# Allegro board SDHCalFEB.brd (continued)
## Nets (continued)
VAL_EVTP_B: R655.1 R2614.1 U325.93(VAL_EVTP) U390.93(VAL_EVTP) U455.93(VAL_EVTP) U520.93(VAL_EVTP)
VAL_EVTP_C: R988.1 R2622.1 U585.93(VAL_EVTP) U650.93(VAL_EVTP) U715.93(VAL_EVTP) U780.93(VAL_EVTP)
VAL_EVTP_D: R1321.1 R2630.1 U845.93(VAL_EVTP) U910.93(VAL_EVTP) U975.93(VAL_EVTP) U1040.93(VAL_EVTP)
VREF1.25V: C1393.1 C1394.1 U1041.5(OUT_S) U1041.6(OUT_F) U1044.6(REF)
VREF_DAC_ASIC_A1: C69.2 U65.71(VREF_DAC)
VREF_DAC_ASIC_A2: C156.2 U130.71(VREF_DAC)
VREF_DAC_ASIC_A3: C243.2 U195.71(VREF_DAC)
VREF_DAC_ASIC_A4: C330.2 U260.71(VREF_DAC)
VREF_DAC_ASIC_B1: C417.2 U325.71(VREF_DAC)
VREF_DAC_ASIC_B5: C504.2 U390.71(VREF_DAC)
VREF_DAC_ASIC_B6: C591.2 U455.71(VREF_DAC)
VREF_DAC_ASIC_B7: C678.2 U520.71(VREF_DAC)
VREF_DAC_ASIC_C1: C765.2 U585.71(VREF_DAC)
VREF_DAC_ASIC_C2: C852.2 U650.71(VREF_DAC)
VREF_DAC_ASIC_C3: C939.2 U715.71(VREF_DAC)
VREF_DAC_ASIC_C4: C1026.2 U780.71(VREF_DAC)
VREF_DAC_ASIC_D1: C1113.2 U845.71(VREF_DAC)
VREF_DAC_ASIC_D2: C1200.2 U910.71(VREF_DAC)
VREF_DAC_ASIC_D3: C1287.2 U975.71(VREF_DAC)
VREF_DAC_ASIC_D4: C1374.2 U1040.71(VREF_DAC)
VREF_PA_ASIC_A1: C67.2 U65.61(VREF_PA)
VREF_PA_ASIC_A2: C154.2 U130.61(VREF_PA)
VREF_PA_ASIC_A3: C241.2 U195.61(VREF_PA)
VREF_PA_ASIC_A4: C328.2 U260.61(VREF_PA)
VREF_PA_ASIC_B1: C415.2 U325.61(VREF_PA)
VREF_PA_ASIC_B5: C502.2 U390.61(VREF_PA)
VREF_PA_ASIC_B6: C589.2 U455.61(VREF_PA)
VREF_PA_ASIC_B7: C676.2 U520.61(VREF_PA)
VREF_PA_ASIC_C1: C763.2 U585.61(VREF_PA)
VREF_PA_ASIC_C2: C850.2 U650.61(VREF_PA)
VREF_PA_ASIC_C3: C937.2 U715.61(VREF_PA)
VREF_PA_ASIC_C4: C1024.2 U780.61(VREF_PA)
VREF_PA_ASIC_D1: C1111.2 U845.61(VREF_PA)
VREF_PA_ASIC_D2: C1198.2 U910.61(VREF_PA)
VREF_PA_ASIC_D3: C1285.2 U975.61(VREF_PA)
VREF_PA_ASIC_D4: C1372.2 U1040.61(VREF_PA)
VREF_SH_ASIC_A1: C68.2 U65.62(VREF_SH)
VREF_SH_ASIC_A2: C155.2 U130.62(VREF_SH)
VREF_SH_ASIC_A3: C242.2 U195.62(VREF_SH)
VREF_SH_ASIC_A4: C329.2 U260.62(VREF_SH)
VREF_SH_ASIC_B1: C416.2 U325.62(VREF_SH)
VREF_SH_ASIC_B5: C503.2 U390.62(VREF_SH)
VREF_SH_ASIC_B6: C590.2 U455.62(VREF_SH)
VREF_SH_ASIC_B7: C677.2 U520.62(VREF_SH)
VREF_SH_ASIC_C1: C764.2 U585.62(VREF_SH)
VREF_SH_ASIC_C2: C851.2 U650.62(VREF_SH)
VREF_SH_ASIC_C3: C938.2 U715.62(VREF_SH)
VREF_SH_ASIC_C4: C1025.2 U780.62(VREF_SH)
VREF_SH_ASIC_D1: C1112.2 U845.62(VREF_SH)
VREF_SH_ASIC_D2: C1199.2 U910.62(VREF_SH)
VREF_SH_ASIC_D3: C1286.2 U975.62(VREF_SH)
VREF_SH_ASIC_D4: C1373.2 U1040.62(VREF_SH)
VTH0_ASIC_A1: C71.2 U65.79(VTH0)
VTH0_ASIC_A2: C158.2 U130.79(VTH0)
VTH0_ASIC_A3: C245.2 U195.79(VTH0)
VTH0_ASIC_A4: C332.2 U260.79(VTH0)
VTH0_ASIC_B1: C419.2 U325.79(VTH0)
VTH0_ASIC_B5: C506.2 U390.79(VTH0)
VTH0_ASIC_B6: C593.2 U455.79(VTH0)
VTH0_ASIC_B7: C680.2 U520.79(VTH0)
VTH0_ASIC_C1: C767.2 U585.79(VTH0)
VTH0_ASIC_C2: C854.2 U650.79(VTH0)
VTH0_ASIC_C3: C941.2 U715.79(VTH0)
VTH0_ASIC_C4: C1028.2 U780.79(VTH0)
VTH0_ASIC_D1: C1115.2 U845.79(VTH0)
VTH0_ASIC_D2: C1204.2 U910.79(VTH0)
VTH0_ASIC_D3: C1291.2 U975.79(VTH0)
VTH0_ASIC_D4: C1378.2 U1040.79(VTH0)
VTH1_ASIC_A1: C74.2 U65.78(VTH1)
VTH1_ASIC_A2: C161.2 U130.78(VTH1)
VTH1_ASIC_A3: C248.2 U195.78(VTH1)
VTH1_ASIC_A4: C335.2 U260.78(VTH1)
VTH1_ASIC_B1: C422.2 U325.78(VTH1)
VTH1_ASIC_B5: C509.2 U390.78(VTH1)
VTH1_ASIC_B6: C596.2 U455.78(VTH1)
VTH1_ASIC_B7: C683.2 U520.78(VTH1)
VTH1_ASIC_C1: C770.2 U585.78(VTH1)
VTH1_ASIC_C2: C857.2 U650.78(VTH1)
VTH1_ASIC_C3: C944.2 U715.78(VTH1)
VTH1_ASIC_C4: C1031.2 U780.78(VTH1)
VTH1_ASIC_D1: C1118.2 U845.78(VTH1)
VTH1_ASIC_D2: C1202.2 U910.78(VTH1)
VTH1_ASIC_D3: C1289.2 U975.78(VTH1)
VTH1_ASIC_D4: C1376.2 U1040.78(VTH1)
VTH2_ASIC_A1: C72.2 U65.77(VTH2)
VTH2_ASIC_A2: C159.2 U130.77(VTH2)
VTH2_ASIC_A3: C246.2 U195.77(VTH2)
VTH2_ASIC_A4: C333.2 U260.77(VTH2)
VTH2_ASIC_B1: C420.2 U325.77(VTH2)
VTH2_ASIC_B5: C507.2 U390.77(VTH2)
VTH2_ASIC_B6: C594.2 U455.77(VTH2)
VTH2_ASIC_B7: C681.2 U520.77(VTH2)
VTH2_ASIC_C1: C768.2 U585.77(VTH2)
VTH2_ASIC_C2: C855.2 U650.77(VTH2)
VTH2_ASIC_C3: C942.2 U715.77(VTH2)
VTH2_ASIC_C4: C1029.2 U780.77(VTH2)
VTH2_ASIC_D1: C1116.2 U845.77(VTH2)
VTH2_ASIC_D2: C1205.2 U910.77(VTH2)
VTH2_ASIC_D3: C1292.2 U975.77(VTH2)
VTH2_ASIC_D4: C1379.2 U1040.77(VTH2)
N224768: C1461.1 C1462.1 C1463.1 C1467.2 L2.1 R2515.1 U1076.1(OUT#1) U1076.19(OUT#19) U1076.20(OUT#20)
N224788: C1468.1 U1076.13(NR/SS)
N224836: C1467.1 U1076.3(FB)
N224884: R2513.2 U1076.12(BIAS)
N225120: R2520.2 U1076.5(50MV)
N225194: R2521.2 U1076.6(100MV)
N225214: R2522.2 U1076.7(200MV)
N225218: R2523.2 U1076.9(400MV)
N225222: R2524.2 U1076.10(800MV)
N225226: R2525.2 U1076.11(1.6V)
N229854: D6.1(ANODE) R2512.1
N266042: R1352.2 R1354.2 U1045.6(INB-)
N332832: R2623.2 U1057.16(B0)
N332842: R2624.2 U1057.15(A0)
N332856: R2625.2 U1055.16(B0)
N332862: R2626.2 U1055.15(A0)
N332880: R2627.2 U1056.16(B0)
N332886: R2628.2 U1056.15(A0)
N332904: R2629.2 U1054.16(B0)
N332910: R2630.2 U1054.15(A0)
N1277074: R2599.2 U1057.9(B3)
N1277078: R2600.2 U1057.10(A3)
N1277196: R2601.2 U1055.9(B3)
N1277200: R2602.2 U1055.10(A3)
N1277502: R2603.2 U1056.9(B3)
N1277506: R2604.2 U1056.10(A3)
N1277510: R2605.2 U1054.9(B3)
N1277514: R2606.2 U1054.10(A3)
N1278164: R2607.2 U1057.12(B2)
N1278168: R2608.2 U1057.11(A2)
N1278184: R2609.2 U1055.12(B2)
N1278188: R2610.2 U1055.11(A2)
N1278252: R2611.2 U1056.12(B2)
N1278272: R2612.2 U1056.11(A2)
N1278276: R2613.2 U1054.12(B2)
N1278280: R2614.2 U1054.11(A2)
N1279382: R2615.2 U1057.13(B1)
N1279386: R2616.2 U1057.14(A1)
N1279402: R2617.2 U1055.13(B1)
N1279406: R2618.2 U1055.14(A1)
N1279470: R2619.2 U1056.13(B1)
N1279490: R2620.2 U1056.14(A1)
N1279494: R2621.2 U1054.13(B1)
N1279498: R2622.2 U1054.14(A1)
N1484073: J68.1 R2596.1
N2248761: R2515.2 U1076.2(SNS)
N10357042: R1352.1 R1353.2 U1045.7(OUTB)
N10357278: R1345.2 R1347.2 U1045.2(INA-)
N10357291: R1346.2 R1347.1 U1045.1(OUTA)
N10359702: R1361.2 R1363.1 U1048.7(VOUT2)
N10359726: R1363.2 R1364.2 U1048.6(IN2-)
N10360290: R1355.2 R1356.2 U1048.2(IN1-)
N10360314: R1356.1 R1359.2 U1048.1(VOUT1)
N10371573: R1349.1 U1044.4(OUTA)
N10371607: R1350.2 U1044.7(OUTB)
N10371876: R1357.2 R1358.2 U1048.3(IN1+)
N10371884: R1360.2 R1362.2 U1048.5(IN2+)
N16629690: J33.B28 R1365.1
N16629718: J33.B30 R1367.1
N16632302: J34.A31 R1370.2
N16632314: J34.A37 R1371.2
N16632330: J34.A39 R1373.2
N16632396: J34.B38 R1372.1
N16632400: J34.B40 R1374.1
N16654329: J35.B28 R1366.1
N16654333: J35.B30 R1368.1
N16706372: D1.1(ANODE) R1341.1
N16706987: D2.1(ANODE) R1342.1
N16707063: D3.1(ANODE) R1343.1
N16707139: D4.1(ANODE) R1344.1
N16754290: C1469.1 C1470.1 C1471.1 C1475.2 L3.1 R2536.1 U1077.1(OUT#1) U1077.19(OUT#19) U1077.20(OUT#20)
N16754310: C1476.1 U1077.13(NR/SS)
N16754358: C1475.1 U1077.3(FB)
N16754406: R2531.2 U1077.12(BIAS)
N16754610: R2539.2 U1077.5(50MV)
N16754668: R2540.2 U1077.6(100MV)
N16754688: R2541.2 U1077.7(200MV)
N16754708: R2542.2 U1077.9(400MV)
N16754712: R2543.2 U1077.10(800MV)
N16754716: R2544.2 U1077.11(1.6V)
N16832061: R2557.2 R2558.1 U1078.2(-IN)
N16833922: R2559.2 R2560.1 U1078.6(-IN)
N16834415: R2563.2 R2564.1 U1078.13(-IN)
N16836319: R2565.2 R2566.1 U1079.2(-IN)
N16842604: R2567.2 R2568.1 U1079.6(-IN)
N16842803: R2569.2 R2570.1 U1079.9(-IN)
N16843003: R2571.2 R2572.1 U1079.13(-IN)
N16843204: R2573.2 R2574.1 U1080.2(-IN)
N16843407: R2575.2 R2576.1 U1080.6(-IN)
N16843610: R2577.2 R2578.1 U1080.9(-IN)
N16843814: R2579.2 R2580.1 U1080.13(-IN)
N16844019: R2581.2 R2582.1 U1081.2(-IN)
N16844225: R2583.2 R2584.1 U1081.6(-IN)
N16844432: R2585.2 R2586.1 U1081.9(-IN)
N16844640: R2587.2 R2588.1 U1081.13(-IN)
N16845119: R2561.2 R2562.1 U1078.9(-IN)
N167543981: R2536.2 U1077.2(SNS)
N1665546130: J33.A31 R1369.2

Pads without a net: J34 B9 B10; J35 B2 B40; R1369 1; R1370 1; U65 2 40 63 65 72 91 123 124 130 131 132 133 134 135; U130 2 40 63 65 72 91 123 124 130 131 132 133 134 135; U195 2 40 63 65 72 91 123 124 130 131 132 133 134 135; U260 2 4 5 7 8 18 20 22 24 30 32 33 35 40 43 44 63 65 72 91 123 124 130 131 132 133 134 135 158 159; U325 2 40 63 65 72 91 123 124 130 131 132 133 134 135; U390 2 40 63 65 72 91 123 124 130 131 132 133 134 135; U455 2 40 63 65 72 91 123 124 130 131 132 133 134 135; U520 2 4 5 7 8 18 20 22 24 30 32 33 35 40 43 44 63 65 72 91 123 124 130 131 132 133 134 135 158 159; U585 2 40 63 65 72 91 123 124 130 131 132 133 134 135; U650 2 40 63 65 72 91 123 124 130 131 132 133 134 135; U715 2 40 63 65 72 91 123 124 130 131 132 133 134 135; U780 2 4 5 7 8 18 20 22 24 30 32 33 35 40 43 44 63 65 72 91 123 124 130 131 132 133 134 135 158 159; U845 2 23 25 26 27 28 31 32 34 35 36 37 38 40 53 54 55 56 63 65 72 91 123 124 130 131 132 133 134 135; U910 2 23 25 26 27 28 31 32 34 35 36 37 38 40 53 54 55 56 63 65 72 91 123 124 130 131 132 133 134 135; U975 2 23 25 26 27 28 31 32 34 35 36 37 38 40 53 54 55 56 63 65 72 91 123 124 130 131 132 133 134 135; U1040 2 4 5 7 8 18 20 22 23 25 26 27 28 29 30 31 32 33 34 35 36 37 38 40 53 54 55 56 63 65 72 91 123 124 130 131 132 133 134 135 158 159; U1060 11 12 13; U1064 11 12 13; U1068 11 12 13; U1082 11 12 13

## Via types
v1: diameter 0.508, hole 0.305, TOP to BOTTOM, 2603 vias
v2: diameter 0.508, hole 0.102, TOP to GND1, 7297 vias
v3: diameter 0.711, hole 0.305, GND1 to GND3, 6132 vias
v4: diameter 0.508, hole 0.102, GND3 to BOTTOM, 900 vias
v5: diameter 1.016, hole 0.61, TOP to BOTTOM, 26 vias
v6: diameter 6, hole 3.2, TOP to BOTTOM, 52 vias

## Routing (per net, layer and track width the routed paths; a pad name or vN(x,y) marks a point on that pad's centre or on a via; arc(x,y) is an arc through that point)
+5VIN: length 25.5
  BOTTOM w0.254: 386.35,83.18 J55.2 ; J55.2 386.35,86.34 ; J55.2 384.77,84.76 ; J55.2 387.92,84.76 ; J55.3 383.96,84.76 ; J55.3 380.81,84.76 ; J55.3 382.38,83.18 ; J55.3 382.38,86.34 ; C1488.1 379.17,90.7 ; C1488.1 378,90.7 ; C1488.1 378.59,90.08 ; C1488.1 378.59,91.33 ; C1487.1 395.48,89.89 ; C1487.1 395.48,87.5 ; C1487.1 396.8,88.7 ; C1487.1 394.16,88.7 ; L1.1 385.01,91.36 ; L1.1 383.25,90.42 ; L1.1 385.01,89.48 ; L1.1 386.78,90.42
GND: length 62663.3
  TOP w0.127: U1040.103 v2(75.74,59.44) ; U845.101 v2(313.41,58.14) ; U780.103 v2(75.74,139.45) ; U455.103 v2(155.75,219.46) ; U780.101 v2(75.74,138.15) ; J33.A4 v1(394.88,102.49) ; U845.103 v2(313.41,59.44) ; U1040.101 v2(75.74,58.14) ; U455.101 v2(155.75,218.16)
  TOP w0.254: 328.3,279.3 v2(328.3,279.73) ; v2(328.3,279.73) 327.86,279.73 ; v2(328.3,279.73) 328.73,279.73 ; v2(328.3,279.73) 328.3,280.16 ; 93.28,261.62 R1560.1 93.28,262.78 ; v2(79.15,197.21) 79.15,197.64 ; v2(79.15,197.21) 79.58,197.21 ; v2(79.15,197.21) 79.15,196.77 ; v2(79.15,197.21) 78.71,197.21 ; v2(103.5,256.92) 103.5,257.35 ; v2(103.5,256.92) 103.94,256.92 ; v2(103.5,256.92) 103.07,256.92 ; v2(103.5,256.92) 103.5,256.49 ; 181.81,349.05 v1(181.81,349.48) ; v1(181.81,349.48) 181.38,349.48 ; v1(181.81,349.48) 182.25,349.48 ; v1(181.81,349.48) 181.81,349.91 ; 97.64,178.94 v2(97.64,179.37) ; v2(97.64,179.37) 97.21,179.37 ; v2(97.64,179.37) 98.07,179.37 ; v2(97.64,179.37) 97.64,179.81 ; v2(274.95,175.21) 274.95,175.64 ; v2(274.95,175.21) 274.52,175.21 ; v2(274.95,175.21) 274.95,174.78 ; v2(274.95,175.21) 275.39,175.21 ; 264.64,177.77 v2(265.07,177.77) ; v2(265.07,177.77) 265.51,177.77 ; v2(265.07,177.77) 265.07,178.21 ; v2(265.07,177.77) 265.07,177.34 ; 369.65,93.62 v1(369.65,94.06) ; v1(369.65,94.06) 369.21,94.06 ; v1(369.65,94.06) 369.65,94.49 ; v1(369.65,94.06) 370.08,94.06 ; 22.83,26.54 v1(22.83,26.97) ; v1(22.83,26.97) 22.83,27.41 ; v1(22.83,26.97) 22.4,26.97 ; v1(22.83,26.97) 23.27,26.97 ; v2(29.13,78.99) 29.13,79.43 ; v2(29.13,78.99) 28.7,78.99 ; v2(29.13,78.99) 29.57,78.99 ; v2(29.13,78.99) 29.13,78.56 ; 255.68,275.21 v2(255.68,275.64) ; v2(255.68,275.64) 255.24,275.64 ; v2(255.68,275.64) 256.11,275.64 ; v2(255.68,275.64) 255.68,276.07 ; 176.81,276.12 v2(177.24,276.12) ; v2(177.24,276.12) 177.67,276.12 ; v2(177.24,276.12) 177.24,275.69 ; v2(177.24,276.12) 177.24,276.56 ; v2(191.62,255.22) 191.62,255.65 ; v2(191.62,255.22) 191.62,254.79 ; v2(191.62,255.22) 192.05,255.22 ; v2(191.62,255.22) 191.19,255.22 ; 264.31,97.43 v2(264.31,97.87) ; v2(264.31,97.87) 264.74,97.87 ; v2(264.31,97.87) 263.88,97.87 ; v2(264.31,97.87) 264.31,98.3 ; 102.39,93.57 v2(102.39,94.01) ; v2(102.39,94.01) 101.96,94.01 ; v2(102.39,94.01) 102.82,94.01 ; v2(102.39,94.01) 102.39,94.44 ; v2(99.34,327.84) 99.77,327.84 ; v2(99.34,327.84) 99.34,327.41 ; v2(99.34,327.84) 98.91,327.84 ; v2(99.34,327.84) 99.34,328.27 ; v2(263.5,97.16) 263.5,97.59 ; v2(263.5,97.16) 263.07,97.16 ; v2(263.5,97.16) 263.93,97.16 ; v2(263.5,97.16) 263.5,96.72 ; J8.3 93.34,275.84 ; J8.3 94.47,274.71 ; J8.3 93.34,273.58 ; J8.3 92.21,274.71 ; v2(96.9,84.35) 97.33,84.35 ; v2(96.9,84.35) 96.47,84.35 ; v2(96.9,84.35) 96.9,83.92 ; v2(96.9,84.35) 96.9,84.79 ; v2(177.01,164.08) 177.01,164.52 ; v2(177.01,164.08) 176.58,164.08 ; v2(177.01,164.08) 177.01,163.65 ; v2(177.01,164.08) 177.44,164.08 ; v1(265.58,22.76) 265.58,23.19 ; v1(265.58,22.76) 265.15,22.76 ; v1(265.58,22.76) 265.58,22.33 ; v1(265.58,22.76) 266.01,22.76 ; 201.52,347.88 v1(201.96,347.88) ; v1(201.96,347.88) 201.96,347.45 ; v1(201.96,347.88) 202.39,347.88 ; v1(201.96,347.88) 201.96,348.31 ; v2(182.17,98.78) 182.6,98.78 ; v2(182.17,98.78) 182.17,98.35 ; v2(182.17,98.78) 181.74,98.78 ; v2(182.17,98.78) 182.17,99.21 ; 339.42,269.93 v2(339.85,269.93) ; v2(339.85,269.93) 339.85,269.49 ; v2(339.85,269.93) 339.85,270.36 ; v2(339.85,269.93) 340.28,269.93 ; J13.2 179.87,249.49 ; J13.2 177.6,249.49 ; J13.2 178.74,248.36 ; J13.2 178.74,250.62 ; 179.12,177.77 v2(179.12,178.21) ; v2(179.12,178.21) 178.69,178.21 ; v2(179.12,178.21) 179.12,178.64 ; v2(179.12,178.21) 179.55,178.21 ; v2(306.58,342.09) 307.01,342.09 ; v2(306.58,342.09) 306.58,341.65 ; v2(306.58,342.09) 306.15,342.09 ; v2(306.58,342.09) 306.58,342.52 ; 356.44,204.09 C1418.2 ; C1418.2 359.08,204.09 ; C1418.2 357.76,205.28 ; v2(100.03,32.72) 100.03,33.15 ; v2(100.03,32.72) 100.03,32.28 ; v2(100.03,32.72) 100.46,32.72 ; v2(100.03,32.72) 99.59,32.72 ; v2(93.42,113.11) 93.85,113.11 ; v2(93.42,113.11) 92.99,113.11 ; v2(93.42,113.11) 93.42,112.67 ; v2(93.42,113.11) 93.42,113.54 ; 247.88,39.24 v2(247.88,39.67) ; v2(247.88,39.67) 247.88,40.11 ; v2(247.88,39.67) 247.45,39.67 ; v2(247.88,39.67) 248.31,39.67 ; 28.42,38.86 v2(28.42,39.29) ; v2(28.42,39.29) 28.42,39.73 ; v2(28.42,39.29) 27.99,39.29 ; v2(28.42,39.29) 28.85,39.29 ; 105.56,260.65 v2(105.99,260.65) ; v2(105.99,260.65) 105.99,260.22 ; v2(105.99,260.65) 106.43,260.65 ; v2(105.99,260.65) 105.99,261.09 ; 255.04,85.01 v2(255.47,85.01) ; v2(255.47,85.01) 255.47,84.58 ; v2(255.47,85.01) 255.91,85.01 ; v2(255.47,85.01) 255.47,85.45 ; v1(103.02,23.24) 103.45,23.24 ; v1(103.02,23.24) 103.02,23.67 ; v1(103.02,23.24) 102.59,23.24 ; v1(103.02,23.24) 103.02,22.81 ; 172.87,352.5 v1(172.87,352.93) ; v1(172.87,352.93) 172.87,353.37 ; v1(172.87,352.93) 172.44,352.93 ; v1(172.87,352.93) 173.3,352.93 ; 189.59,326.47 v2(189.59,326.9) ; v2(189.59,326.9) 190.02,326.9 ; v2(189.59,326.9) 189.15,326.9 ; v2(189.59,326.9) 189.59,327.33 ; 91.05,193.01 J16.4 ; J16.4 89.92,194.14 ; J16.4 91.05,195.28 ; J16.4 92.19,194.14 ; J25.5 334.84,90.65 ; J25.5 335.98,89.52 ; J25.5 333.71,89.52 ; J25.5 334.84,88.39 ; v2(173.25,114.91) 173.69,114.91 ; v2(173.25,114.91) 172.82,114.91 ; v2(173.25,114.91) 173.25,114.48 ; v2(173.25,114.91) 173.25,115.34 ; 257.53,253.11 v2(257.96,253.11) ; v2(257.96,253.11) 257.96,253.54 ; v2(257.96,253.11) 258.39,253.11 ; v2(257.96,253.11) 257.96,252.68 ; 343.13,319.46 v2(343.56,319.46) ; v2(343.56,319.46) 343.56,319.89 ; v2(343.56,319.46) 343.56,319.02 ; v2(343.56,319.46) 343.99,319.46 ; 93.73,323.01 v2(94.16,323.01) ; v2(94.16,323.01) 94.16,322.58 ; v2(94.16,323.01) 94.16,323.44 ; v2(94.16,323.01) 94.59,323.01 ; v1(182.96,24.05) 183.39,24.05 ; v1(182.96,24.05) 182.96,23.62 ; v1(182.96,24.05) 182.52,24.05 ; v1(182.96,24.05) 182.96,24.49 ; 94.26,263.22 v2(94.26,263.65) ; v2(94.26,263.65) 93.83,263.65 ; v2(94.26,263.65) 94.26,264.08 ; v2(94.26,263.65) 94.69,263.65 ; 263.45,19.86 v1(263.45,20.29) ; v1(263.45,20.29) 263.02,20.29 ; v1(263.45,20.29) 263.45,20.73 ; v1(263.45,20.29) 263.88,20.29 ; 187.78,95.31 J56.3 ; J56.3 188.91,96.44 ; J56.3 190.04,95.31 ; J56.3 188.91,94.18 ; 173.68,96.82 C1215.2 ; C1215.2 172.48,98.15 ; C1215.2 173.68,99.47 ; v2(97.54,36.37) 97.54,36.81 ; v2(97.54,36.37) 97.97,36.37 ; v2(97.54,36.37) 97.54,35.94 ; v2(97.54,36.37) 97.1,36.37 ; v2(333.83,192.15) 333.83,192.58 ; v2(333.83,192.15) 333.83,191.72 ; v2(333.83,192.15) 334.26,192.15 ; v2(333.83,192.15) 333.4,192.15 ; J33.A12 v1(394.88,112.65) ; v2(339.52,251.61) 339.95,251.61 ; v2(339.52,251.61) 339.52,251.18 ; v2(339.52,251.61) 339.09,251.61 ; v2(339.52,251.61) 339.52,252.04 ; 184.55,253.82 U339.2 184.95,253.06 ; v2(341.05,83.03) 341.05,83.46 ; v2(341.05,83.03) 340.61,83.03 ; v2(341.05,83.03) 341.05,82.6 ; v2(341.05,83.03) 341.48,83.03 ; v2(101.73,178.23) 101.73,178.66 ; v2(101.73,178.23) 102.16,178.23 ; v2(101.73,178.23) 101.73,177.8 ; v2(101.73,178.23) 101.29,178.23 ; 254.63,37.62 J28.2 ; J28.2 255.76,38.75 ; J28.2 253.5,38.75 ; J28.2 254.63,39.88 ; 259.49,351.23 v1(259.92,351.23) ; v1(259.92,351.23) 259.92,351.66 ; v1(259.92,351.23) 260.35,351.23 ; v1(259.92,351.23) 259.92,350.8 ; 301.55,346.07 v2(301.55,346.51) ; v2(301.55,346.51) 301.55,346.94 ; v2(301.55,346.51) 301.12,346.51 ; v2(301.55,346.51) 301.98,346.51 ; v2(99.31,261.7) 99.75,261.7 ; v2(99.31,261.7) 99.31,261.26 ; v2(99.31,261.7) 98.88,261.7 ; v2(99.31,261.7) 99.31,262.13 ; 98.96,183.44 v2(99.39,183.44) ; v2(99.39,183.44) 99.82,183.44 ; v2(99.39,183.44) 99.39,183.87 ; v2(99.39,183.44) 99.39,183.01 ; v2(30.81,89.51) 30.81,89.94 ; v2(30.81,89.51) 30.38,89.51 ; v2(30.81,89.51) 31.24,89.51 ; v2(30.81,89.51) 30.81,89.08 ; 326.31,47.7 v2(326.75,47.7) ; v2(326.75,47.7) 327.18,47.7 ; v2(326.75,47.7) 326.75,47.27 ; v2(326.75,47.7) 326.75,48.13 ; 335.38,192.23 v2(335.81,192.23) ; v2(335.81,192.23) 335.81,191.79 ; v2(335.81,192.23) 336.25,192.23 ; v2(335.81,192.23) 335.81,192.66 ; 65.74,259.33 v2(65.74,259.77) ; v2(65.74,259.77) 65.74,260.2 ; v2(65.74,259.77) 65.3,259.77 ; v2(65.74,259.77) 66.17,259.77 ; v2(100.1,326.87) 100.1,327.3 ; v2(100.1,326.87) 99.67,326.87 ; v2(100.1,326.87) 100.1,326.44 ; v2(100.1,326.87) 100.53,326.87 ; v2(28.7,255.04) 29.13,255.04 ; v2(28.7,255.04) 28.7,255.47 ; v2(28.7,255.04) 28.27,255.04 ; v2(28.7,255.04) 28.7,254.61 ; 40.13,92.13 R2193.1 ; v2(179.58,327.74) 180.01,327.74 ; v2(179.58,327.74) 179.58,327.3 ; v2(179.58,327.74) 179.15,327.74 ; v2(179.58,327.74) 179.58,328.17 ; 93.14,192.2 v2(93.57,192.2) ; v2(93.57,192.2) 94.01,192.2 ; v2(93.57,192.2) 93.57,191.77 ; v2(93.57,192.2) 93.57,192.63 ; 178.74,30.1 v2(179.17,30.1) ; v2(179.17,30.1) 179.17,30.53 ; v2(179.17,30.1) 179.6,30.1 ; v2(179.17,30.1) 179.17,29.67 ; J33.A22 v1(394.88,125.35) ; v2(109.68,323.14) 110.11,323.14 ; v2(109.68,323.14) 109.24,323.14 ; v2(109.68,323.14) 109.68,322.71 ; v2(109.68,323.14) 109.68,323.57 ; v2(90.35,280.14) 90.78,280.14 ; v2(90.35,280.14) 90.35,279.7 ; v2(90.35,280.14) 90.35,280.57 ; v2(90.35,280.14) 89.92,280.14 ; v2(30.51,338.51) 30.51,338.94 ; v2(30.51,338.51) 30.07,338.51 ; v2(30.51,338.51) 30.51,338.07 ; v2(30.51,338.51) 30.94,338.51 ; 102.73,94.79 J57.4 ; J57.4 103.86,95.92 ; J57.4 101.6,95.92 ; J57.4 102.73,97.05 ; 179.93,323.62 J5.3 ; J5.3 178.8,324.75 ; J5.3 179.93,325.88 ; J5.3 181.06,324.75 ; 96.09,181.58 v2(96.52,181.58) ; v2(96.52,181.58) 96.52,181.15 ; v2(96.52,181.58) 96.52,182.02 ; v2(96.52,181.58) 96.95,181.58 ; v1(181.86,347.93) 182.3,347.93 ; v1(181.86,347.93) 181.86,347.5 ; v1(181.86,347.93) 181.43,347.93 ; v1(181.86,347.93) 181.86,348.36 ; 329.28,271.95 J2.4 ; J2.4 328.15,273.08 ; J2.4 329.28,274.21 ; J2.4 330.41,273.08 ; J26.3 335.12,35.38 ; J26.3 335.12,33.12 ; J26.3 336.25,34.25 ; J26.3 333.99,34.25 ; 178.77,182.35 v2(178.77,182.78) ; v2(178.77,182.78) 178.33,182.78 ; v2(178.77,182.78) 179.2,182.78 ; v2(178.77,182.78) 178.77,183.21 ; v2(96.34,261.82) 96.34,262.26 ; v2(96.34,261.82) 96.77,261.82 ; v2(96.34,261.82) 96.34,261.39 ; v2(96.34,261.82) 95.91,261.82 ; 187.22,166.9 v2(187.66,166.9) ; v2(187.66,166.9) 187.66,166.47 ; v2(187.66,166.9) 188.09,166.9 ; v2(187.66,166.9) 187.66,167.34 ; v2(181.66,178.21) 182.09,178.21 ; v2(181.66,178.21) 181.23,178.21 ; v2(181.66,178.21) 181.66,177.77 ; v2(181.66,178.21) 181.66,178.64 ; 318.29,276.55 v2(318.29,276.99) ; v2(318.29,276.99) 318.72,276.99 ; v2(318.29,276.99) 318.29,277.42 ; v2(318.29,276.99) 317.86,276.99 ; 181.79,180.77 v2(181.79,181.2) ; v2(181.79,181.2) 181.36,181.2 ; v2(181.79,181.2) 181.79,181.64 ; v2(181.79,181.2) 182.22,181.2 ; 180.59,25.86 v1(180.59,26.29) ; v1(180.59,26.29) 181.03,26.29 ; v1(180.59,26.29) 180.16,26.29 ; v1(180.59,26.29) 180.59,26.72 ; v1(376.17,111.18) 376.17,111.61 ; v1(376.17,111.18) 376.61,111.18 ; v1(376.17,111.18) 376.17,110.74 ; v1(376.17,111.18) 375.74,111.18 ; 360.88,110.67 v2(361.31,110.67) ; v2(361.31,110.67) 361.75,110.67 ; v2(361.31,110.67) 361.31,110.24 ; v2(361.31,110.67) 361.31,111.1 ; U1058.3 351.94,332.08 v1(351.94,332.08) ; 330.35,197.69 J10.5 ; J10.5 330.35,199.95 ; J10.5 331.48,198.82 ; J10.5 329.22,198.82 ; v2(364.26,109.88) 364.69,109.88 ; v2(364.26,109.88) 364.26,109.45 ; v2(364.26,109.88) 364.26,110.31 ; v2(364.26,109.88) 363.83,109.88 ; v2(334.7,162.66) 334.7,163.09 ; v2(334.7,162.66) 335.13,162.66 ; v2(334.7,162.66) 334.26,162.66 ; v2(334.7,162.66) 334.7,162.23 ; v2(101.68,173.91) 102.11,173.91 ; v2(101.68,173.91) 101.68,173.48 ; v2(101.68,173.91) 101.68,174.35 ; v2(101.68,173.91) 101.24,173.91 ; 227.05,352.6 v1(227.05,353.03) ; v1(227.05,353.03) 227.05,353.47 ; v1(227.05,353.03) 227.48,353.03 ; v1(227.05,353.03) 226.62,353.03 ; 102.29,260.48 v2(102.29,260.91) ; v2(102.29,260.91) 102.29,261.34 ; v2(102.29,260.91) 101.85,260.91 ; v2(102.29,260.91) 102.72,260.91 ; v2(158.7,277.04) 158.7,277.47 ; v2(158.7,277.04) 159.13,277.04 ; v2(158.7,277.04) 158.7,276.61 ; v2(158.7,277.04) 158.27,277.04 ; 333.76,162.26 R1919.1 333.17,162.81 ; 37.69,170.23 v2(37.69,170.66) ; v2(37.69,170.66) 38.13,170.66 ; v2(37.69,170.66) 37.69,171.09 ; v2(37.69,170.66) 37.26,170.66 ; J51.4 94.83,176.18 ; J51.4 95.96,175.05 ; J51.4 94.83,173.92 ; J51.4 93.7,175.05 ; v1(373,183.95) 373,184.38 ; v1(373,183.95) 373.43,183.95 ; v1(373,183.95) 373,183.51 ; v1(373,183.95) 372.57,183.95 ; 89.49,118.33 J24.5 ; J24.5 91.75,118.33 ; J24.5 90.62,119.46 ; J24.5 90.62,117.2 ; 39.12,89.71 v2(39.55,89.71) ; v2(39.55,89.71) 39.55,89.28 ; v2(39.55,89.71) 39.98,89.71 ; v2(39.55,89.71) 39.55,90.15 ; 100.03,30.38 v2(100.03,30.81) ; v2(100.03,30.81) 100.03,31.24 ; v2(100.03,30.81) 99.59,30.81 ; v2(100.03,30.81) 100.46,30.81 ; v2(186.92,179.58) 186.92,180.01 ; v2(186.92,179.58) 187.35,179.58 ; v2(186.92,179.58) 186.92,179.15 ; v2(186.92,179.58) 186.49,179.58 ; 344.03,316.3 J1.2 ; J1.2 344.03,318.56 ; J1.2 345.17,317.43 ; J1.2 342.9,317.43 ; 179.3,82.35 v2(179.3,82.78) ; v2(179.3,82.78) 178.87,82.78 ; v2(179.3,82.78) 179.3,83.21 ; v2(179.3,82.78) 179.73,82.78 ; v2(29.34,181.97) 29.34,182.4 ; v2(29.34,181.97) 29.77,181.97 ; v2(29.34,181.97) 29.34,181.53 ; v2(29.34,181.97) 28.9,181.97 ; v2(337.24,196.37) 337.67,196.37 ; v2(337.24,196.37) 337.24,195.94 ; v2(337.24,196.37) 336.8,196.37 ; v2(337.24,196.37) 337.24,196.8 ; 331.67,39.67 v2(332.11,39.67) ; v2(332.11,39.67) 332.11,40.11 ; v2(332.11,39.67) 332.54,39.67 ; v2(332.11,39.67) 332.11,39.24 ; 334.48,241.24 v2(334.48,241.68) ; v2(334.48,241.68) 334.92,241.68 ; v2(334.48,241.68) 334.48,242.11 ; 177.49,35.46 v2(177.93,35.46) ; v2(177.93,35.46) 177.93,35.89 ; v2(177.93,35.46) 177.93,35.03 ; v2(177.93,35.46) 178.36,35.46 ; U1051.6 v1(348.34,192.49) ; v1(162.74,25.17) 163.17,25.17 ; v1(162.74,25.17) 162.74,25.6 ; v1(162.74,25.17) 162.74,24.74 ; v1(162.74,25.17) 162.31,25.17 ; 257.76,258.77 v2(257.76,259.21) ; v2(257.76,259.21) 257.33,259.21 ; v2(257.76,259.21) 257.76,259.64 ; v2(257.76,259.21) 258.19,259.21 ; 143.43,345.54 v2(143.87,345.54) ; v2(143.87,345.54) 144.3,345.54 ; v2(143.87,345.54) 143.87,345.97 ; v2(143.87,345.54) 143.87,345.11 ; J62.3 108.93,256.44 ; J62.3 107.8,255.31 ; J62.3 108.93,254.18 ; J62.3 110.06,255.31 ; v2(168.83,194.46) 169.27,194.46 ; v2(168.83,194.46) 168.4,194.46 ; v2(168.83,194.46) 168.83,194.89 ; v2(168.83,194.46) 168.83,194.03 ; 257.99,251.69 v2(258.42,251.69) ; v2(258.42,251.69) 258.42,251.26 ; v2(258.42,251.69) 258.42,252.12 ; v2(258.42,251.69) 258.85,251.69 ; 175.44,275.39 v2(175.87,275.39) ; v2(175.87,275.39) 176.3,275.39 ; v2(175.87,275.39) 175.87,275.82 ; v2(175.87,275.39) 175.87,274.95 ; J21.3 179.02,165.71 ; J21.3 180.15,164.58 ; J21.3 177.88,164.58 ; J21.3 179.02,163.45 ; v2(90.5,274.22) 90.5,274.65 ; v2(90.5,274.22) 90.07,274.22 ; v2(90.5,274.22) 90.5,273.79 ; v2(90.5,274.22) 90.93,274.22 ; 93.72,252.12 R1691.1 93.72,253.29 ; 27.48,89.33 v2(27.91,89.33) ; v2(27.91,89.33) 28.35,89.33 ; v2(27.91,89.33) 27.91,89.76 ; v2(27.91,89.33) 27.91,88.9 ; v2(146.51,337.13) 146.51,337.57 ; v2(146.51,337.13) 146.94,337.13 ; v2(146.51,337.13) 146.07,337.13 ; v2(146.51,337.13) 146.51,336.7 ; 39.9,174.9 v2(39.9,175.34) ; v2(39.9,175.34) 39.9,175.77 ; v2(39.9,175.34) 39.47,175.34 ; v2(39.9,175.34) 40.34,175.34 ; C347.2 96.09,290.13 ; C347.2 97.41,288.93 ; C347.2 94.77,288.93 ; v2(173.69,112.42) 173.69,112.85 ; v2(173.69,112.42) 173.69,111.99 ; v2(173.69,112.42) 173.25,112.42 ; v2(173.69,112.42) 174.12,112.42 ; v2(177.8,174.65) 177.8,175.08 ; v2(177.8,174.65) 178.23,174.65 ; v2(177.8,174.65) 177.8,174.22 ; v2(177.8,174.65) 177.37,174.65 ; 168.15,24.76 v1(168.15,25.2) ; v1(168.15,25.2) 167.72,25.2 ; v1(168.15,25.2) 168.58,25.2 ; v1(168.15,25.2) 168.15,25.63 ; 73.28,116.79 v2(73.71,116.79) ; v2(73.71,116.79) 73.71,117.22 ; v2(73.71,116.79) 73.71,116.36 ; v2(73.71,116.79) 74.14,116.79 ; v2(172.39,278.84) 172.82,278.84 ; v2(172.39,278.84) 172.39,278.41 ; v2(172.39,278.84) 172.39,279.27 ; v2(172.39,278.84) 171.96,278.84 ; 181.46,173.3 v2(181.89,173.3) ; v2(181.89,173.3) 181.89,173.74 ; v2(181.89,173.3) 181.89,172.87 ; v2(181.89,173.3) 182.32,173.3 ; C1403.2 183.51,351.21 ; C1403.2 182.31,349.88 ; C1403.2 183.51,348.56 ; 29.31,334.24 v2(29.31,334.67) ; v2(29.31,334.67) 29.74,334.67 ; v2(29.31,334.67) 28.88,334.67 ; v2(29.31,334.67) 29.31,335.1 ; v1(203.48,346.96) 203.91,346.96 ; v1(203.48,346.96) 203.05,346.96 ; v1(203.48,346.96) 203.48,347.4 ; v1(203.48,346.96) 203.48,346.53 ; 187.68,325.75 v2(188.11,325.75) ; v2(188.11,325.75) 188.54,325.75 ; v2(188.11,325.75) 188.11,325.32 ; v2(188.11,325.75) 188.11,326.19 ; 255.32,117.25 J20.2 ; J20.2 255.32,119.51 ; J20.2 256.45,118.38 ; J20.2 254.19,118.38 ; 361.85,140 v1(361.85,140.44) ; v1(361.85,140.44) 362.28,140.44 ; v1(361.85,140.44) 361.42,140.44 ; v1(361.85,140.44) 361.85,140.87 ; 96.42,330.23 v2(96.85,330.23) ; v2(96.85,330.23) 97.28,330.23 ; v2(96.85,330.23) 96.85,330.66 ; v2(96.85,330.23) 96.85,329.79 ; v2(109.68,95.76) 109.68,96.19 ; v2(109.68,95.76) 109.24,95.76 ; v2(109.68,95.76) 109.68,95.33 ; v2(109.68,95.76) 110.11,95.76 ; 158.06,198.4 v2(158.5,198.4) ; v2(158.5,198.4) 158.5,197.97 ; v2(158.5,198.4) 158.93,198.4 ; v2(103.4,336.5) 103.4,336.93 ; v2(103.4,336.5) 102.97,336.5 ; v2(103.4,336.5) 103.84,336.5 ; v2(103.4,336.5) 103.4,336.07 ; J54.3 107.56,22.35 ; J54.3 107.56,20.09 ; J54.3 108.69,21.22 ; J54.3 106.43,21.22 ; 161.34,353.11 C1458.2 ; C1458.2 162.54,354.43 ; C1458.2 161.34,355.75 ; 30.96,178.33 v2(30.96,178.77) ; v2(30.96,178.77) 30.96,179.2 ; v2(30.96,178.77) 31.39,178.77 ; v2(30.96,178.77) 30.53,178.77 ; v2(366.85,213) 367.28,213 ; v2(366.85,213) 366.42,213 ; v2(366.85,213) 366.85,212.57 ; v2(366.85,213) 366.85,213.44 ; v2(97.05,164.26) 97.49,164.26 ; v2(97.05,164.26) 97.05,164.69 ; v2(97.05,164.26) 96.62,164.26 ; v2(97.05,164.26) 97.05,163.83 ; v2(318.08,197.79) 318.52,197.79 ; v2(318.08,197.79) 318.08,198.22 ; v2(318.08,197.79) 317.65,197.79 ; v2(318.08,197.79) 318.08,197.36 ; J33.B9 v1(391.79,108.84) ; J19.5 255.58,170.07 ; J19.5 254.45,168.93 ; J19.5 254.45,171.2 ; J19.5 253.32,170.07 ; v2(142.98,341.02) 142.98,341.45 ; v2(142.98,341.02) 143.41,341.02 ; v2(142.98,341.02) 142.98,340.59 ; v2(142.98,341.02) 142.54,341.02 ; J23.2 98.78,170.61 ; J23.2 98.78,168.35 ; J23.2 97.65,169.48 ; J23.2 99.91,169.48 ; 39.47,179.15 v2(39.9,179.15) ; v2(39.9,179.15) 40.34,179.15 ; v2(39.9,179.15) 39.9,179.58 ; v2(39.9,179.15) 39.9,178.71 ; 35.99,178.76 v2(35.99,179.2) ; v2(35.99,179.2) 35.99,179.63 ; v2(35.99,179.2) 36.42,179.2 ; v2(35.99,179.2) 35.56,179.2 ; C432.2 264.25,258.5 ; C432.2 264.25,255.85 ; C432.2 263.06,257.18 ; v2(109.4,97.31) 109.4,97.74 ; v2(109.4,97.31) 109.4,96.88 ; v2(109.4,97.31) 108.97,97.31 ; v2(109.4,97.31) 109.83,97.31 ; v2(107.98,98.98) 107.98,99.42 ; v2(107.98,98.98) 107.98,98.55 ; v2(107.98,98.98) 108.41,98.98 ; v2(107.98,98.98) 107.54,98.98 ; J33.B33 v1(391.79,139.32) ; 328.85,200.23 v2(328.85,200.66) ; v2(328.85,200.66) 328.85,201.09 ; v2(328.85,200.66) 328.42,200.66 ; v2(328.85,200.66) 329.29,200.66 ; v1(163.27,348.08) 163.7,348.08 ; v1(163.27,348.08) 162.84,348.08 ; v1(163.27,348.08) 163.27,347.65 ; v1(163.27,348.08) 163.27,348.51 ; 260.6,245.03 v2(260.6,245.47) ; v2(260.6,245.47) 260.6,245.9 ; v2(260.6,245.47) 261.04,245.47 ; v2(260.6,245.47) 260.17,245.47 ; v2(342.04,312.24) 342.47,312.24 ; v2(342.04,312.24) 341.6,312.24 ; v2(342.04,312.24) 342.04,312.67 ; v2(342.04,312.24) 342.04,311.81 ; v2(262.53,175.23) 262.97,175.23 ; v2(262.53,175.23) 262.53,174.8 ; v2(262.53,175.23) 262.53,175.67 ; v2(262.53,175.23) 262.1,175.23 ; v2(304.09,346.51) 304.52,346.51 ; v2(304.09,346.51) 304.09,346.07 ; v2(304.09,346.51) 303.66,346.51 ; v2(304.09,346.51) 304.09,346.94 ; 108,323.16 v2(108.43,323.16) ; v2(108.43,323.16) 108.43,322.73 ; v2(108.43,323.16) 108.43,323.6 ; v2(108.43,323.16) 108.86,323.16 ; v2(63.2,259.77) 63.63,259.77 ; v2(63.2,259.77) 62.76,259.77 ; v2(63.2,259.77) 63.2,260.2 ; v2(63.2,259.77) 63.2,259.33 ; 175.77,244.86 v2(175.77,245.29) ; v2(175.77,245.29) 175.77,245.72 ; v2(175.77,245.29) 175.34,245.29 ; v2(175.77,245.29) 176.2,245.29 ; 35.28,171.86 v2(35.71,171.86) ; v2(35.71,171.86) 36.14,171.86 ; v2(35.71,171.86) 35.71,171.42 ; v2(35.71,171.86) 35.71,172.29 ; 99.48,262.67 v2(99.91,262.67) ; v2(99.91,262.67) 99.91,263.1 ; v2(99.91,262.67) 99.91,262.23 ; v2(178.97,91.03) 178.97,91.47 ; v2(178.97,91.03) 178.54,91.03 ; v2(178.97,91.03) 178.97,90.6 ; v2(178.97,91.03) 179.4,91.03 ; 336.3,171.45 v2(336.73,171.45) ; v2(336.73,171.45) 336.73,171.02 ; v2(336.73,171.45) 337.16,171.45 ; v2(336.73,171.45) 